# Altium PCB yard-ice-2.PcbDoc (part 2 of 2) (continued)
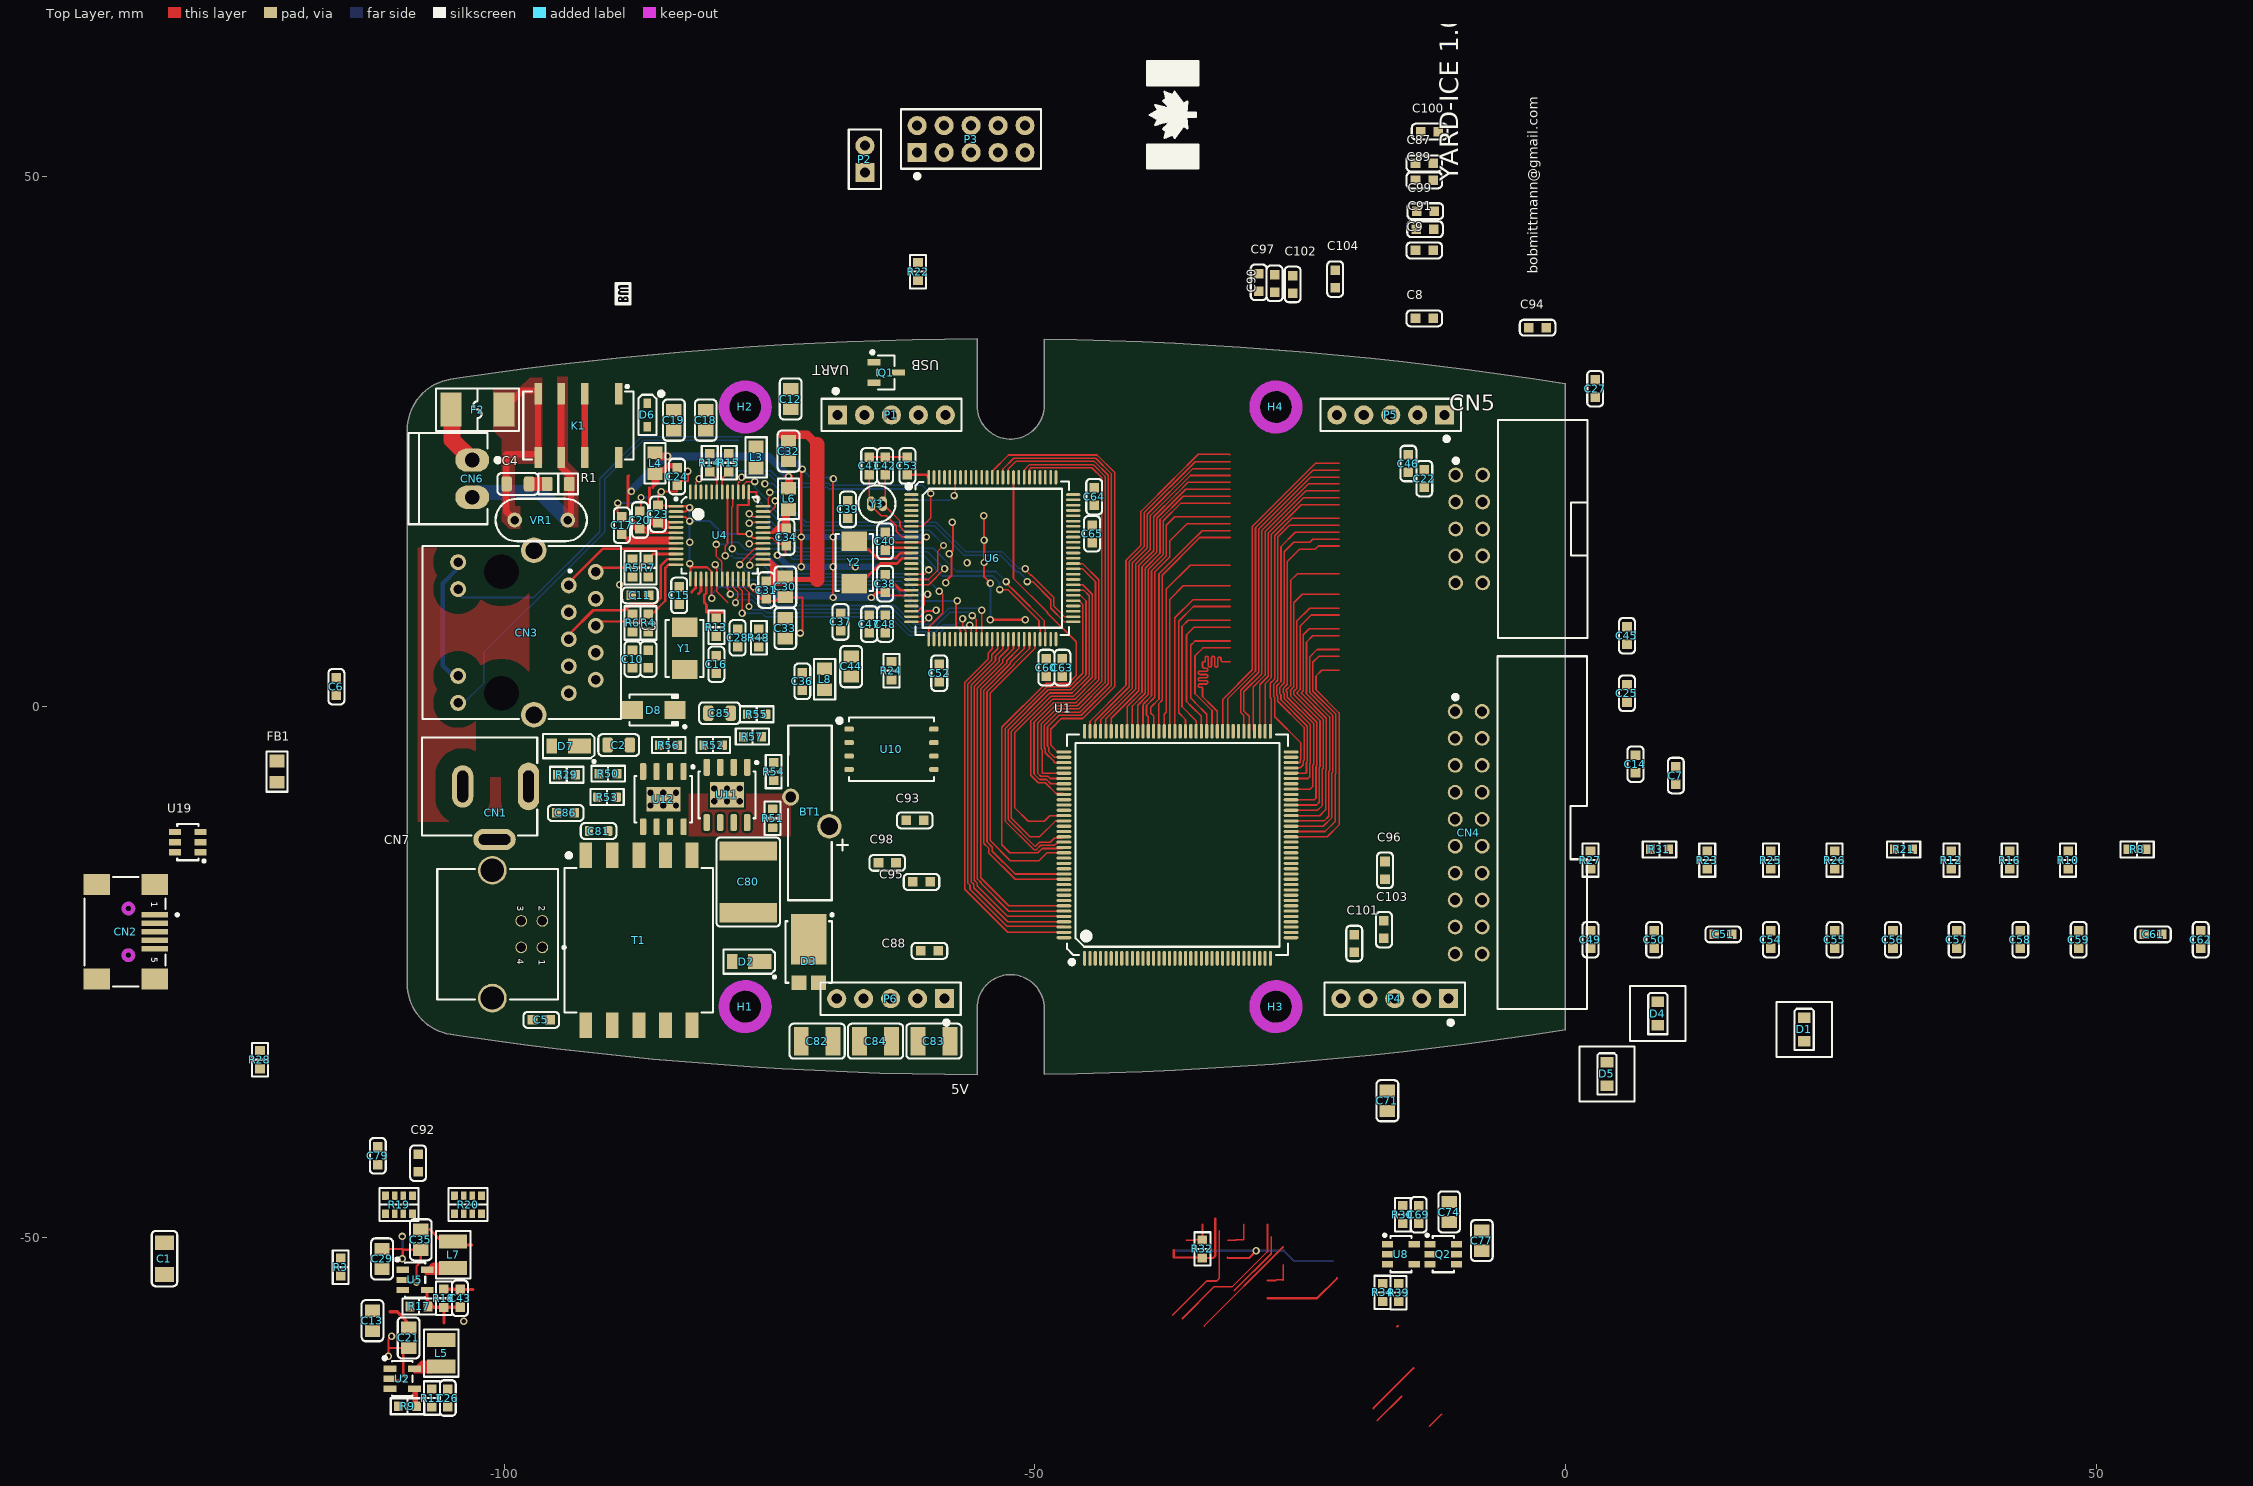
[diagram p0: Top Layer view]
## Nets (pads, with @x,y where several pads share a name; then routed paths per layer and width w, separated by ;. In a path a pad name is that pad's centre, name@x,y a point inside that pad or via, vN(x,y) a via of type N, cw(c..) or ccw(c..) an arc to the next point about the centre after c; other vN are vias at no path point) (continued)
JTDI: P3.3 U6.77
JTDO: P3.5 U6.89
JTMS: P3.1 U6.76
JTRST: P3.9 U6.90
LED1: R12.1
LED2: R16.1
LX1: L5.1 U2.3 | length 3.8
  Top Layer w0.6: -108.375,-62.5 -108.3,-62.5 ; L5.1@-106.95,-62.5 -108.3,-62.5 ; L5.1@-106.175,-61.9 -107.7,-61.9 -108.3,-62.5
LX2: L7.1 U5.3 | length 4
  Top Layer w0.6: L7.1@-105.375,-53.25 -107.25,-53.25 -106.65,-52.65 L7.1@-105.35,-52.65
MCO1: U6.67
NetC4_1: C4.1 R1.1 | length 3.4
  Top Layer w0.7: C4.1@-97.65,20.7 R1.1@-95.95,20.7 ; C4.1@-97.65,21.3 R1.1@-95.95,21.3
NetC6_1: C6.1 CN2.1 FB1.1 U19.5
NetC7_1: C7.1 R8.2 R10.1
NetC10_1: C10.1 R4.1 R6.1
NetC11_1: C11.1 R5.1 R7.1
NetC14_1: C14.1 R23.2 R27.1
NetC15_2: C15.2 U4.15 Y1.1 | length 1.5
  Top Layer w0.25: -81.7,10.65 -81.45,10.9 U4.15@-81.45,12.05
NetC16_2: C16.2 U4.14 Y1.2 | length 1.4
  Top Layer w0.25: -82.325,10.8 -81.95,11.175 U4.14@-81.95,12.05
NetC22_1: C22.1 R25.2 R31.1
NetC25_1: C25.1 R26.2 R32.1 | length 3
  Top Layer w0.15: -35.7,-50.25 -34.951,-50.25 -34.926,-50.225 R32.1@-34.2,-50.225 -34.2,-48.775
NetC28_1: C28.1 R13.2 U4.16 | length 4.8
  Top Layer w0.25: U4.16@-80.95,12.05 -80.95,10.725 -81.138,10.537 -81.138,9.813 -80.925,9.6 -80.925,8.9 -79.45,8.9 -79.425,8.875
NetC37_2: C37.2 U6.13 Y2.2 | length 7.1
  Top Layer w0.25: Y2.2@-67.975,12.225 -65.8,12.225 -64.525,13.5 -63,13.5 -62.5,14 U6.13@-61.625,14
NetC39_2: C39.2 U6.12 Y2.1 | length 6.9
  Top Layer w0.25: Y2.1@-68,15 -65.925,15 -65.725,14.8 ; -65.6,14.775 -64.825,14 -63.136,14 -62.636,14.5 U6.12@-61.625,14.5
NetC81_2: C81.2 R53.1 T1.5 U12.7
NetC86_1: C86.1 U12.4
NetCN2_2: CN2.2 U19.4
NetCN2_3: CN2.3 U19.6
NetCN3_1: CN3.1 R7.2 U4.10 | length 8.1
  Top Layer w0.25: CN3.1@-91.31,13.09 -87.26,13.09 R7.2@-86.4,13.95 -85.95,14.4 U4.10@-83.8,14.4
NetCN3_2: CN3.2 R5.2 U4.9 | length 12.2
  Top Layer w0.25: CN3.2@-93.85,10.945 -93.85,11.75 -90.7,14.9 U4.9@-83.8,14.9
NetCN3_5: CN3.5 R4.2 U4.12 | length 11.8
  Top Layer w0.2: CN3.5@-91.36,7.635 -90.97,8.025 -87.125,8.025 R4.2@-86.4,8.75 -86.05,8.75 -84.8,10
  Top Layer w0.25: -84.8,10 -84.8,13.1 -84.5,13.4 U4.12@-83.8,13.4
NetCN3_6: CN3.6 R6.2 U4.11 | length 13.9
  Top Layer w0.25: CN3.6@-93.85,6.85 -91.6,9.1 -88.6,9.1 -88,9.7 -85.815,9.7 -85.25,10.265 -85.25,13.286 -84.636,13.9 -84.6,13.9
NetCN3_12: CN3.12 R14.1 | length 36
  Bottom Layer w0.15: CN3.12@-104.28,10.59 -103.995,10.305 -97.195,10.305 -91,16.5 -91,21.495 -87.045,25.45 -77.55,25.45
NetCN3_14: CN3.14 R15.1 | length 41.4
  Bottom Layer w0.15: CN3.14@-104.28,-0.13 -104.055,0.095 -101.9,2.25 -101.9,5.1 -90.5,16.5 -90.5,21.5 -86.9,25.1 -77.9,25.1
NetCN4_1: CN4.1 R8.1
NetCN6_1: CN6.1 F2.2 | length 5.7
  Top Layer w1.6: F2.2@-104.9,28.2 -104.9,25.15 CN6.1@-103,23.25
NetD1_1: D1.1 R3.1
NetD3_1: D3.1 T1.6 T1.7
NetD4_1: D4.1 R12.2
NetD5_1: D5.1 R16.2
NetD6_1: D6.1 K1.8 Q1.3
NetK1_2: K1.2 K1.7 | length 6
  Top Layer w0.6: K1.7@-92.4,23.8 K1.2@-92.4,29.5 K1.2@-92.4,29.8
NetP1_4: P1.4
NetP1_5: P1.5
NetQ2_3: Q2.3 U8.4
NetR14_2: R14.2 U4.43 | length 2.2
  Top Layer w0.15: R14.2@-80.625,22.15 -79.95,21.475 U4.43@-79.95,20.25
NetR15_2: R15.2 U4.42 | length 2.2
  Top Layer w0.15: U4.42@-79.45,20.25 -79.45,21.525 R15.2@-78.825,22.15
NetR29_1: R29.1 R50.2 U11.8
NetR34_2: R34.2 R39.2 U8.3
NetR51_2: R51.2 U11.2
NetR52_2: R52.2 R55.1 U11.6 U12.2
NetR53_2: R53.2 U12.6
NetR54_1: R54.1 U11.3
NetR56_1: R56.1 R57.2 U12.8
NetR56_2: R56.2 U12.3
NetU10_1: U10.1
NRST: P3.4 U6.14
OSC32_IN: C42.2 U6.8 Y3.2 | length 6.9
  Top Layer w0.15: C42.2@-64.1,21.875 -64.1,19.35 Y3.2@-64.325,19.125 -62.7,17.5 -62.7,16.959 -62.241,16.5 U6.8@-61.625,16.5
OSC32_OUT: C41.2 U6.9 Y3.1 | length 8.2
  Top Layer w0.15: C41.2@-65.6,21.875 -65.6,19.3 Y3.1@-65.425,19.125 ; Y3.1@-65.488,19.013 -64.475,18 -64,18 -63.05,17.05 -63.05,16.55 -62.5,16 U6.9@-61.625,16
OTG_FS_DM: U6.70 U19.3
OTG_FS_DP: U6.71 U19.1
OTG_FS_ID: U6.69
OTG_FS_VBUS: C5.1 D2.1 FB1.2 U6.68
OTG_HS_DM: U6.53
OTG_HS_DP: U6.54
P_GND: C80.2 C85.2 C86.2 CN1.2 CN1.3 R50.1 R55.2 R57.1 U11.5 U12.5 U12.9
  other v2: -86.2,-9.3 -85,-9.3 -83.8,-9.3 -86.2,-8.1 -85,-8.1 -83.8,-8.1
PC13: U4.47 U6.7 | length 28.9
  Top Layer w0.15: U4.47@-81.95,20.25 -81.95,21.175 v1(-81.625,21.5) ; U6.7@-61.625,17 -60.6,17 -59.8,17.8 v1(-59.8,20.1)
  Bottom Layer w0.15: v1(-81.625,21.5) -78.65,21.5 -77.899,22.251 -74.87,22.251 -73.669,21.05 -69.409,21.05 -69.234,20.875 -60.575,20.875 v1(-59.8,20.1)
PE1: U6.98
PE3: U6.2
POE+: C2.1 C80.1 C81.1 C85.1 CN3.9 D7.2 D8.2 R51.1 R52.1 T1.3 U11.1 U12.1
POE-: C2.2 CN3.10 D8.1 R54.2 U11.4 U11.9
  other v2: -80.2,-8.9 -79,-8.9 -77.8,-8.9 -80.2,-7.7 -79,-7.7 -77.8,-7.7
RLY_C: CN6.2 K1.3 K1.6 R1.2 VR1.2 | length 23
  Top Layer w0.6: K1.3@-94.6,29.8 K1.3@-94.6,29.5 K1.6@-94.6,23.5 -94.6,22.6 -93.7,21.7 -93.7,17.9 VR1.2@-94,17.6
  Bottom Layer w1.4: CN6.2@-103,19.75 -102.55,20.2 -96.6,20.2 VR1.2@-94,17.6
RLY_NO: C4.2 F2.1 K1.4 K1.5 VR1.1 | length 19.3
  Top Layer w0.6: F2.1@-99.9,28.2 -98.3,29.8 -96.8,29.8 K1.4@-96.8,29.5 -96.8,23.8 -99.8,23.8 -99.8,18.4 VR1.1@-99,17.6
RST: CN4.15 R20.7
RTCK: CN4.11 R20.5 R25.1
SDIO_CK: U6.80 U6.91 U10.5
SDIO_CMD: U6.83
SDIO_D0: U6.65
SDIO_D1: R28.2 U6.66
SDIO_D2: U6.78 U10.6
SDIO_D3: U6.79 U10.2
SPI2_NSS: Q1.1 U6.96
SPI4_MISO: U6.4
SPI4_MOSI: U6.5
SPI4_NSS: U6.3
SPI4_SCK: U6.1
SRAM_A0: U1.113 U3.23 U7.23
SRAM_A1: U1.114 U3.24 U7.24
SRAM_A2: U1.115 U3.25 U7.25
SRAM_A3: U1.117 U3.26 U7.26
SRAM_A4: U3.29 U7.29
SRAM_A5: U1.143 U3.30 U7.30
SRAM_A6: U1.142 U3.31 U7.31
SRAM_A7: U1.141 U3.32 U7.32
SRAM_A8: U1.140 U3.33 U7.33
SRAM_A9: U1.139 U3.34 U7.34
SRAM_A10: U1.112 U3.22 U7.22
SRAM_A11: U1.138 U3.35 U7.35
SRAM_A12: U1.137
SRAM_BA0: U1.110 U3.20 U7.20
SRAM_BA1: U1.111 U3.21 U7.21
SRAM_CAS: U1.75 U3.17 U7.17 | length 27.1
  Top Layer w0.15: U1.75@-28.8,-2.3 -28.8,2.079 -28,2.879 -28,16.379 -24.679,19.7 -21.3,19.7
SRAM_CKE: U1.136 U3.37 U7.37
SRAM_CLK: U1.133 U3.38 U7.38
SRAM_CS: U1.109
SRAM_DQ0: U1.89 U3.2 | length 16
  Top Layer w0.15: U1.89@-35.8,-2.3 -35.8,-1.2 -36.431,-0.569 -36.431,8.069 -35.05,9.45 -31.6,9.45
SRAM_DQ1: U1.87 U3.4 | length 15.2
  Top Layer w0.15: U1.87@-34.8,-2.3 -34.8,-1.3 -36.131,0.031 -36.131,7.569 -35.55,8.15 -31.6,8.15
SRAM_DQ2: U1.86 U3.5 | length 14.1
  Top Layer w0.15: U1.86@-34.3,-2.3 -34.3,-0.9 -35.2,0 -35.7,0.5 -35.7,6.8 -35,7.5 -31.6,7.5
SRAM_DQ3: U1.85 U3.7 | length 12.6
  Top Layer w0.15: U1.85@-33.8,-2.3 -33.8,-0.7 -34.9,0.4 -34.9,0.424 -35.3,0.824 -35.3,5.8 -34.9,6.2 -31.6,6.2
SRAM_DQ4: U1.84 U3.8 | length 11.4
  Top Layer w0.15: U1.84@-33.3,-2.3 -33.3,-0.349 -34.9,1.251 -34.9,4.8 -34.15,5.55 -31.6,5.55
SRAM_DQ5: U1.83 U3.10 | length 18.4
  Top Layer w0.15: U1.83@-32.8,-2.3 -32.8,-0.424 -33.224,0 -34.2,0.976 -34.2,1.8 ccw(c-34.25,1.8) -34.25,1.85 -34.45,1.85 cw(c-34.45,2) -34.6,2 cw(c-34.45,2) -34.45,2.15 -34.2,2.15 -33.85,2.15 ccw(c-33.85,2.3) -33.7,2.3 ccw(c-33.85,2.3) -33.85,2.45 -34.2,2.45 -34.45,2.45 cw(c-34.45,2.6) -34.6,2.6 cw(c-34.45,2.6) -34.45,2.75 -34.2,2.75 -33.85,2.75 ccw(c-33.85,2.9) -33.7,2.9 ccw(c-33.85,2.9) -33.85,3.05 -34.2,3.05 -34.45,3.05 cw(c-34.45,3.2) -34.6,3.2 cw(c-34.45,3.2) -34.45,3.35 -34.2,3.35 -33.85,3.35 ccw(c-33.85,3.5) -33.7,3.5 ccw(c-33.85,3.5) -33.85,3.65 -34.05,3.65 cw(c-34.05,3.8) -34.2,3.8 -34.2,4.2 -34.15,4.25 -34,4.25 ccw(c-34,4.3) -33.95,4.3 -33.95,4.6 cw(c-33.8,4.6) -33.8,4.75 cw(c-33.8,4.6) -33.65,4.6 -33.65,4.25 -33.65,3.9 ccw(c-33.5,3.9) -33.5,3.75 ccw(c-33.5,3.9) -33.35,3.9 -33.35,4.25 -33.35,4.6 cw(c-33.2,4.6) -33.2,4.75 cw(c-33.2,4.6) -33.05,4.6 -33.05,4.25 -33.05,3.9 ccw(c-32.9,3.9) -32.9,3.75 ccw(c-32.9,3.9) -32.75,3.9 -32.75,4.25 -32.75,4.542 cw(c-32.6,4.542) -32.6,4.692 cw(c-32.6,4.542) -32.45,4.542 -32.45,4.4 ccw(c-32.3,4.4) -32.3,4.25 -32.15,4.25 -32,4.25 -31.6,4.25
SRAM_DQ6: U1.82 U3.11 | length 31.1
  Top Layer w0.15: U1.82@-32.3,-2.3 -32.3,0.7 -29.5,3.5 -29.5,17 -23.55,22.95 -21.3,22.95
SRAM_DQ7: U1.81 U3.13 | length 30.4
  Top Layer w0.15: U1.81@-31.8,-2.3 -31.8,0.776 -29.2,3.376 -29.2,16.876 -23.776,22.3 -21.3,22.3
SRAM_DQ8: U1.128 U3.42
SRAM_DQ9: U1.127 U3.44
SRAM_DQ10: U1.126 U3.45
SRAM_DQ11: U1.125 U3.47
SRAM_DQ12: U1.122 U3.48
SRAM_DQ13: U1.121 U3.50
SRAM_DQ14: U1.120 U3.51
SRAM_DQ15: U1.119 U3.53
SRAM_DQ16: U7.2
SRAM_DQ17: U7.4
SRAM_DQ18: U7.5
SRAM_DQ19: U7.7
SRAM_DQ20: U7.8
SRAM_DQ21: U7.10
SRAM_DQ22: U7.11
SRAM_DQ23: U7.13
SRAM_DQ24: U7.42
SRAM_DQ25: U7.44
SRAM_DQ26: U7.45
SRAM_DQ27: U7.47
SRAM_DQ28: U7.48
SRAM_DQ29: U7.50
SRAM_DQ30: U7.51
SRAM_DQ31: U7.53
SRAM_DQM: U1.78 | length 29.5
  Top Layer w0.15: U1.78@-30.3,-2.3 -30.3,-0.824 -30.6,-0.524 -30.6,1.551 -28.9,3.251 -28.9,16.751 -24.001,21.65 -21.3,21.65
SRAM_DQM1: U3.15 U3.39
SRAM_DQM2: U7.15 U7.39
SRAM_RAS: U1.74 U3.18 U7.18 | length 26.4
  Top Layer w0.15: U1.74@-28.3,-2.3 -28.3,2.154 -27.7,2.754 -27.7,16.254 -24.904,19.05 -21.3,19.05
SRAM_WE1: U1.76 U3.16 | length 27.9
  Top Layer w0.15: U1.76@-29.3,-2.3 -29.425,-2.175 -29.425,1.878 -28.3,3.003 -28.3,16.503 -24.453,20.35 -21.3,20.35
SRAM_WE2: U7.16
TCK: CN4.9 R19.8
TDI: CN4.5 R19.6
TDO: CN4.13 R20.6 R23.1 | length 10.3
  Top Layer w0.15: -36.999,-57.299 -33.8,-54.1 -32.851,-54.1 -32.625,-53.874 -32.625,-49.375
TMS: CN4.7 R19.7
TRST: CN4.3 R19.5
USART6_RX: U6.64
USART6_TX: U6.63
VBAT: BT1.1 U6.6
VCAP_1: C60.1 U6.49
VCAP_2: C65.1 U6.73
VCC_1.2: C35.1 C43.1 C88.1 C89.1 C90.1 C91.1 C92.1 L7.2 R18.2 U1.36 U1.72 U1.108 U1.144 | length 7.9
  Top Layer w0.2: C43.1@-104.2,-54.875 C43.1@-104.175,-54.9
  Top Layer w0.25: -107,-49.25 -105.875,-50.375 L7.2@-104.8,-50.375 ; L7.2@-105.55,-50.7 -103.05,-50.7
  Top Layer w0.3: R18.2@-105.675,-54.875 C43.1@-104.2,-54.875 ; C43.1@-104.15,-54.9 -102.925,-54.9
VCC_3.3: C21.1 C26.1 C27.1 C30.1 C31.1 C32.1 C33.1 C36.1 C38.1 C40.1 C45.1 C46.1 C49.1 C50.1 C51.1 C52.1 C53.1 C54.1 C55.1 C56.1 C57.1 C58.1 C59.1 C61.1 C62.1 C63.1 C64.1 C71.1 C79.1 C93.1 C94.1 C95.1 C96.1 C97.1 C98.1 C99.1 C100.1 C101.1 C102.1 C103.1 C104.1 CN3.11 CN3.13 L3.1 L5.2 L8.1 P1.1 P2.2 P3.2 R11.2 R48.2 U1.37 U1.51 U1.66 U1.79 U1.88 U1.102 U1.118 U1.123 U1.135 U3.1 U3.3 U3.9 U3.14 U3.27 U3.43 U3.49 U4.25 U4.26 U6.11 U6.19 U6.28 U6.50 U6.75 U6.100 U7.1 U7.3 U7.9 U7.14 U7.27 U7.43 U7.49 U10.3 U10.7 U10.8 | length 54.4
  Top Layer w0.25: U4.25@-75.6,13.4 -75.025,13.4 -74.8,13.175 ; U4.26@-75.6,13.9 -75,13.9 -74.8,13.7 ; C31.1@-75,11.5 -74.8,11.5 ; -74.55,11.625 -74.55,13.45 ; C30.1@-73.55,12 C30.1@-73.55,11.85 ; C38.1@-64.1,12.425 -62.675,11 U6.19@-61.625,11 ; C40.1@-64.1,14.775 -63.875,15 U6.11@-61.625,15 ; C53.1@-62,21.875 -60.25,21.875 U6.100@-60,21.625 ; -74.8,11.5 -74.8,13.175 ; -74.8,11.5 -74.3,11.5 ; -74.8,13.175 -74.8,13.7 ; -74.8,13.7 -74.55,13.45 ; -74.55,13.45 -74.3,13.2 -74.3,12.6 ; -74.3,11.5 -73.875,11.5 ; -74.3,11.5 -74.3,11.925 ; -74.3,11.925 -74.062,11.687 -73.875,11.5 ; -74.3,11.925 -74.3,12.25 ; -74.3,12.25 -74.3,12.6 ; -74.3,12.25 -73.55,11.5 ; -74.3,12.6 C30.1@-73.55,11.85 ; -73.875,11.5 -73.55,11.5 ; -73.55,11.5 C30.1@-73.55,11.85
  Top Layer w0.3: -110.725,-56.975 -110.75,-57 -110.075,-57 C21.1@-108.925,-58.15
  Top Layer w0.5: C30.1@-73.55,12 -70.5,12
  Top Layer w0.8: -73.85,25.65 -71.45,25.65 -70.5,24.7
  Top Layer w1.4: -70.5,12 -70.5,24.7
  Bottom Layer w0.4: CN3.13@-104.28,2.41 -105.78,3.91 -105.78,11.63 CN3.11@-104.28,13.13
VCC_5: C13.1 C29.1 C74.1 C82.1 C83.1 C84.1 D2.2 D3.2 D6.2 K1.1 Q2.1 Q2.2 Q2.5 Q2.6 R3.2 U2.1 U2.4 U5.1 U5.4 U8.5
VCC_IO: C8.1 C9.1 C77.1 C87.1 CN4.2 Q2.4 R34.1 U1.7 U1.16 U1.30
VDDA: C44.1 C47.1 C48.1 L8.2 U6.21 U6.22
VIN+: CN1.1 D7.1 R29.2
pads on no net: CN2.0 CN2.4 CN2.6 CN3.0 CN3.7 CN3.8 CN5.1 CN5.2 CN5.3 CN5.4 CN5.5 CN5.6 CN5.7 CN5.8 CN5.9 CN5.10 CN7.1 CN7.2 CN7.3 CN7.4 CN7.5 CN7.6 D1.0 D4.0 D5.0 H1.0 H2.0 H3.0 H4.0 P1.2 P4.1 P4.2 P4.3 P4.4 P4.5 P5.1 P5.2 P5.3 P5.4 P5.5 P6.1 P6.2 P6.3 P6.4 P6.5 R19.1 R19.2 R19.3 R19.4 R20.1 R20.2 R20.3 R20.4 R21.2 T1.1 T1.2 T1.4 T1.8 U1.1 U1.2 U1.3 U1.4 U1.5 U1.6 U1.9 U1.10 U1.11 U1.12 U1.13 U1.14 U1.15 U1.17 U1.19 U1.20 U1.21 U1.22 U1.23 U1.24 U1.25 U1.26 U1.27 U1.28 U1.31 U1.32 U1.33 U1.34 U1.35 U1.38 U1.45 U1.47 U1.50 U1.52 U1.60 U1.68 U1.77 U1.91 U1.92 U1.93 U1.94 U1.95 U1.96 U1.97 U1.100 U1.103 U1.104 U1.106 U1.107 U1.129 U1.130 U1.131 U1.132 U3.36 U3.40 U4.32 U4.44 U4.45 U4.46 U4.48 U7.36 U7.40 U11.7
copper on no net: | length 460.1
  Top Layer w0.15: -44.8,-2.3 -44.8,-1.379 -41.4,2.021 -41.4,13.814 -40,15.214 -40,18.4 -36.9,21.5 -36.788,21.612 -34.601,23.799 -31.649,23.799 -31.6,23.75 ; -44.3,-2.3 -44.3,-1.303 -41.1,1.897 -41.1,13.69 -39.7,15.09 -39.7,18.276 -34.876,23.1 -31.6,23.1 ; -43.3,-2.3 -43.3,-1.151 -40.5,1.648 -40.5,13.441 -39.1,14.841 -39.1,18.027 -35.327,21.8 -31.6,21.8 ; -42.8,-2.3 -42.8,-1.076 -40.2,1.524 -40.2,13.317 -38.8,14.717 -38.8,17.903 -36.653,20.05 -35.553,21.15 -31.6,21.15 ; -41.3,-2.3 -41.3,0 -39.9,1.4 -39.9,13.193 -38.5,14.593 -38.5,17.779 -35.779,20.5 -31.6,20.5 ; -39.8,-2.3 -39.8,0.075 -39.775,0.1 -39.775,0.252 -39,1.027 -39,12.82 -37.6,14.22 -37.6,17.1 -36.8,17.9 -31.6,17.9 ; -39.3,-2.3 -39.3,-0.946 -39.475,-0.771 -39.475,0.128 -38.7,0.903 -38.7,12.696 -37.3,14.096 -37.3,15.6 -35.65,17.25 -31.6,17.25 ; -38.8,-2.3 -38.8,-0.875 -39.071,-0.604 -39.071,-0.039 -38.296,0.736 -38.296,12.528 -35.424,15.4 -34.224,16.6 -31.6,16.6 ; -38.3,-2.3 -38.3,0.307 -37.996,0.611 -37.996,12.404 -34.45,15.95 -31.6,15.95 ; -37.8,-2.3 -37.8,-0.7 -37.6,-0.5 -37.6,11.1 -35.35,13.35 -31.6,13.35 ; -37.3,-2.3 -37.3,10.1 -36,11.4 -31.6,11.4 ; -36.8,-2.3 -36.8,8.4 -35.1,10.1 -31.6,10.1 ; -36.1,-57.649 -33.076,-54.625 -31.375,-54.625 -28.075,-51.325 -28.075,-48.775 ; -34.049,-58.349 -26.575,-50.875 ; -31.825,-50.25 -31.051,-50.25 -31.026,-50.225 -30.325,-50.225 -30.325,-48.775 ; -31.206,-54.999 -27.725,-51.519 -27.725,-49.925 ; -29.8,-2.3 -29.8,-0.9 -30.3,-0.4 -30.3,1.427 -28.6,3.127 -28.6,16.627 -24.227,21 -21.3,21 ; -28.075,-54.05 -27.301,-54.05 -27.251,-54 -26.6,-54 -26.575,-54.025 -26.575,-52.575 ; -25.85,-10.25 -23.15,-10.25 -22.6,-9.7 -22.6,-5.974 -22.525,-5.899 -22.525,-1.072 -24.904,1.307 -24.7,1.512 -24.7,6.8 -24.15,7.35 -21.3,7.35 ; -25.85,-6.25 -24.45,-6.25 -24.4,-6.2 -24.4,-5.229 -24.325,-5.154 -24.325,-1.818 -26.8,0.657 -26.8,1.13 -26.9,1.23 -26.9,1.857 -26.5,2.257 -26.5,14.6 -25.6,15.5 -24.1,15.5 -23.8,15.8 -21.3,15.8 ; -17.725,-67.25 -15.425,-64.95 ; -12.825,-67.8 -11.675,-66.65
  Top Layer w0.2: -31.825,-51.9 -31.8,-51.925 -30.325,-51.925 -29.801,-51.925 v1@-29.2,-51.324 ; -28.05,-55.725 -26.575,-55.725 -23.401,-55.725 -21.506,-53.829
  Bottom Layer w0.2: -36.8,-51.25 v1(-29.15,-51.25) -26.525,-51.25 -25.55,-52.225 -21.975,-52.225

## Polygon pours and split planes (outlines as drawn)
GND_EARTH on Top Layer "Top-Layer-GND_EARTH" (solid, pour order 30): -108.138,-10.848 -95.652,-10.848 -95.65,-8.5 -99.875,-8.5 -99.875,-6.625 -102.65,-6.625 -102.65,2.725 -97.65,2.725 -97.652,27.5 -97.5,27.652 -92.652,27.652 -92.652,31.492 ccw(c-53.972,-310.732) -104.027,30.015 -104.894,29.874 ccw(c-104.278,26.063) -108.138,26.063
RLY_NO on Top Layer "RLY-Top" (solid, remove dead copper, pour order 26): -101,30 -98.6,30 -97.6,31 -96.4,31 -96.4,22.9 -99,22.9 -99,18.9 -98.5,18.9 -98.5,16.8 -99.5,16.8 -100.2,17.5 -100.2,25.2 -101,26
RLY_C on Top Layer "RLY-Top" (solid, remove dead copper, pour order 25): -95,31.1 -94,31.1 -94,23.1 -93,22.1 -93,16.9 -94.3,16.9 -94.4,17 -94.4,21.9 -95,22.5
VCC_5 on Top Layer "Top-Layer-VCC_4.7" (solid, pour order 23): -82.6,-12.2 -73,-12.2 -73,-8.2 -82.6,-8.2
GND_EARTH on Bottom Layer "Bottom-Layer-GND_EARTH" (solid, pour order 33): -108.138,-10.848 -99.877,-10.848 -99.875,-8.5 -99.875,-6.625 -102.65,-6.625 -102.65,2.725 -97.65,2.725 -97.652,27.5 -97.5,27.652 -92.652,27.652 -92.652,31.492 ccw(c-53.972,-310.732) -104.027,30.015 -104.894,29.874 ccw(c-104.278,26.063) -108.138,26.063

## Other copper
Top Layer:
  pour cut-out: -96.5,4.5 -69.8,4.5 -69.8,4.8 -96.5,4.8
  pour cut-out: -110,15 -90,15 -90,35 -91,35 -91,16 -110,16
Bottom Layer:
  pour cut-out: -96.5,4.5 -69.8,4.5 -69.8,4.8 -96.5,4.8
  pour cut-out: -110,15 -90,15 -90,35 -91,35 -91,16 -110,16

## Silkscreen, mask and mechanical layers (free items; w line width, h text height)
Top Overlay:
  lines w0.15: -89.35,37.9 -89.35,39.95 ; -89.35,38.05 -88.225,38.05 ; -89.35,38.3 ccw(c-89.1,38.3) -89.1,38.05 ; -89.35,38.5 cw(c-89.1,38.5) -89.1,38.75 cw(c-89.1,39) -89.35,39 ; -89.35,38.75 -88.225,38.75 ; -89.35,39.058 cw(c-89.1,39.058) -89.225,39.275 cw(c-89.1,39.492) -89.35,39.492 ; -89.35,39.55 cw(c-89.1,39.55) -89.1,39.8 ; -89.35,39.8 -88.225,39.8 ; -89.1,38.4 -89,38.4 ; -89.033,38.75 cw(c-89.033,38.5) -88.817,38.625 cw(c-88.6,38.5) -88.6,38.75 ; -89.025,39.1 -88.225,39.1 ; -89.025,39.45 -88.225,39.45 ; -88.625,38.4 -88.475,38.4 ; -88.475,38.75 cw(c-88.475,38.5) -88.225,38.5 ; -88.225,37.9 -88.225,39.95 ; -89.5,37.9 -89.5,39.95 -88.075,39.95 -88.075,37.9 -89.5,37.9
  lines w0.2: -39.2,50.721 -39.2,53 ; -39.2,58.545 -39.2,60.824 ; -39,50.721 -39,53 ; -39,55.674 -39,55.871 ; -39,58.545 -39,60.824 ; -38.8,50.721 -38.8,53 ; -38.8,55.557 -38.8,55.988 ; -38.8,58.545 -38.8,60.824 ; -38.6,50.721 -38.6,53 ; -38.6,54.842 -38.6,54.924 ; -38.6,55.44 -38.6,56.105 ; -38.6,56.621 -38.6,56.703 ; -38.6,58.545 -38.6,60.824 ; -38.4,50.721 -38.4,53 ; -38.4,54.896 -38.4,56.649 ; -38.4,58.545 -38.4,60.824 ; -38.2,50.721 -38.2,53 ; -38.2,54.949 -38.2,56.596 ; -38.2,58.545 -38.2,60.824 ; -38,50.721 -38,53 ; -38,55.003 -38,56.542 ; -38,58.545 -38,60.824 ; -37.8,50.721 -37.8,53 ; -37.8,54.365 -37.8,54.572 ; -37.8,55.056 -37.8,56.489 ; -37.8,56.973 -37.8,57.18 ; -37.8,58.545 -37.8,60.824 ; -37.6,50.721 -37.6,53 ; -37.6,53.661 -37.6,54.776 ; -37.6,55.109 -37.6,56.436 ; -37.6,56.769 -37.6,57.884 ; -37.6,58.545 -37.6,60.824 ; -37.4,50.721 -37.4,53 ; -37.4,53.739 -37.4,54.98 ; -37.4,55.163 -37.4,56.382 ; -37.4,56.565 -37.4,57.806 ; -37.4,58.545 -37.4,60.824 ; -37.2,50.721 -37.2,53 ; -37.2,53.818 -37.2,57.727 ; -37.2,58.545 -37.2,60.824 ; -37,50.721 -37,53 ; -37,53.896 -37,57.649 ; -37,58.545 -37,60.824 ; -36.8,50.721 -36.8,53 ; -36.8,53.627 -36.8,57.918 ; -36.8,58.545 -36.8,60.824 ; -36.6,50.721 -36.6,53 ; -36.6,53.905 -36.6,57.64 ; -36.6,58.545 -36.6,60.824 -36.4,60.824 -36.4,58.545 ; -36.4,50.721 -36.4,53 ; -36.4,54.182 -36.4,57.363 ; -36.2,50.721 -36.2,53 ; -36.2,54.459 -36.2,57.085 ; -36.2,58.545 -36.2,60.824 ; -36,50.721 -36,53 ; -36,54.737 -36,56.808 ; -36,58.545 -36,60.824 ; -35.8,50.721 -35.8,53 ; -35.8,54.621 -35.8,56.924 ; -35.8,58.545 -35.8,60.824 ; -35.6,50.721 -35.6,53 ; -35.6,55.56 -35.6,55.985 ; -35.6,58.545 -35.6,60.824 ; -35.4,50.721 -35.4,53 ; -35.4,55.56 -35.4,55.985 ; -35.4,58.545 -35.4,60.824 ; -35.2,50.721 -35.2,53 ; -35.2,55.56 -35.2,55.985 ; -35.2,58.545 -35.2,60.824 ; -35,50.721 -35,53 ; -35,55.56 -35,55.985 ; -35,58.545 -35,60.824 ; -34.8,50.721 -34.8,53 ; -34.8,58.545 -34.8,60.824 ; -39.404,50.721 -34.596,50.721 -34.596,53 -39.404,53 -39.404,50.721 ; -39.404,58.545 -34.596,58.545 -34.596,60.824 -39.404,60.824 -39.404,58.545 ; -39.169,55.772 -38.377,56.235 -38.656,56.718 -37.157,56.317 -37.91,57.085 -37.625,57.33 -37.773,57.951 -36.953,57.631 -36.826,57.954 -35.996,56.803 -35.629,57.028 -35.714,55.985 -34.81,55.985 -34.81,55.56 -35.714,55.56 -35.629,54.517 -35.996,54.742 -36.826,53.591 -36.953,53.914 -37.773,53.594 -37.625,54.215 -37.91,54.46 -37.157,55.228 -38.656,54.827 -38.377,55.31 -39.169,55.772
  text "YARD-ICE 1.0" at -9.5,49.5 h3 r90
  text "bobmittmann@gmail.com" at -2.3,40.8 h1.6 r90
  text "USB" at -59,33 h1.6 r180
  text "UART" at -67.5,32.5 h1.6 r180
  text "5V" at -57.85,-36.85 h1.6
PCB Boundary:
  circle w0.1: c-27.278,-28.25 r1.6
  circle w0.1: c-77.278,-28.25 r1.6
  circle w0.1: c-77.278,28.25 r1.6
  circle w0.1: c-27.278,28.25 r1.6
  lines w0.1: -109.138,-26.063 ccw(c-104.278,-26.063) -105.054,-30.861 -104.179,-31.003 ccw(c-53.972,310.732) -55.44,-34.668 -55.44,-28.392 cw(c-52.278,-28.392) -49.115,-28.392 -49.115,-34.637 ccw(c-53.972,310.732) 0,-30.429 0,30.429 ccw(c-53.972,-310.732) -49.115,34.637 -49.115,28.392 cw(c-52.278,28.392) -55.44,28.392 -55.44,34.668 ccw(c-53.972,-310.732) -104.179,31.003 -105.054,30.861 ccw(c-104.278,26.063) -109.138,26.063 -109.138,-26.063
Mechanical 5:
  lines w0.1: -48.115,-28.392 ccw(c-52.278,-28.392) -56.44,-28.392 -56.44,-33.663 cw(c-53.972,310.732) -104.027,-30.015 -104.894,-29.874 cw(c-104.278,-26.063) -108.138,-26.063 -108.138,26.063 cw(c-104.278,26.063) -104.894,29.874 -104.027,30.015 cw(c-53.972,-310.732) -56.44,33.663 -56.44,28.392 ccw(c-52.278,28.392) -48.115,28.392 -48.115,33.622 cw(c-53.972,-310.732) -1,29.573 -1,-29.573 cw(c-53.972,310.732) -48.115,-33.622 -48.115,-28.351
Design Information:
  drawing of 210 lines, arcs and shapes, not listed
  text "FABRICATION INFORMATION" at 15.025,-14.5 h1.75
  text "BOARD SIZE:" at 15.025,-17.5 h1.25
  text "109.14mm X 69.72mm" at 56.025,-17.5 h1.25
  text "CONDUCTOR SPACING (MIN):" at 15.025,-20.5 h1.25
  text "0.2mm (8 mils)" at 56.025,-20.5 h1.25
  text "CONDUCTOR WIDTH (MIN):" at 15.025,-23.5 h1.25
  text "0.15mm (6 mils)" at 56.025,-23.5 h1.25
  text "BASE MATERIAL:" at 15.025,-26.5 h1.25
  text "FR4" at 56.025,-26.5 h1.25
  text "BOARD THICKNESS:" at 15.025,-29.5 h1.25
  text "1.6mm" at 56.025,-29.5 h1.25
  text "COOPER LAYERS:" at 15.025,-32.5 h1.25
  text "2" at 56.025,-32.5 h1.25
  text "COPPER THICKNESS (FINISHED):" at 15.025,-35.5 h1.25
  text "35um" at 56.025,-35.5 h1.25
  text "LEGEND MARKING COLOUR:" at 15.025,-38.5 h1.25
  text "WHITE" at 56.025,-38.5 h1.25
  text "SOLDER MASK COLOUR:" at 15.025,-41.5 h1.25
  text "GREEN" at 56.025,-41.5 h1.25
  text "SURFACE FINISH:" at 15.025,-44.5 h1.25
  text "HOT AIR SOLDER LEVEL" at 56.025,-44.5 h1.25
  text "ELECTRICAL TEST:" at 15.025,-47.5 h1.25
  text "REQUIRED" at 56.025,-47.5 h1.25
  text "SURFACE MOUNT:" at 15.025,-50.5 h1.25
  text "TOP" at 56.025,-50.5 h1.25
  text "DWN:" at 14.525,-54 h1
  text "MITTMANN" at 31.025,-54.5 h1.1
  text ".PRINT_DATE" at 29.025,-56.5 h1.1
  text "Bob Mittmann" at 41.025,-56.5 h4
  text "LAYER STACK-UP DETAIL" at -106.647,-57.71 h1.75
  text "CHK:" at 14.525,-59 h1
  text "--" at 31.025,-59.5 h1.1
  text "TITLE:" at 39.525,-60 h1
  text "--" at 29.025,-61.5 h1.1
  text "YARD-ICE" at 41.025,-62.5 h1.5
  text "APVD:" at 14.525,-64 h1
  text "WHITE COLOR SILKSCREEN" at -56.725,-64.5 h1.2
  text "--" at 31.025,-64.5 h1.1
  text "GREEN COLOR SOLDERMASK" at -56.725,-66.5 h1.2
  text "--" at 29.025,-66.5 h1.1
  text "0.035mm+/-0.01mm LAYER #1: TOP (COMPONENT SIDE)" at -56.725,-68.5 h1.2
  text "DWG NO:" at 39.525,-69 h1
  text "REV:" at 75.525,-69 h1
  text "1.6mm+/-10%" at -105.675,-70.5 h1.2
  text "1.53mm+/-0.15mm LAMINATE CORE" at -56.725,-70.5 h1.2
  text "yard-ice" at 41.025,-71.5 h1.5
  text "1.0" at 77.025,-71.5 h1.5
  text "0.035mm+/-0.01mm LAYER #2: BOTTOM" at -56.725,-72.5 h1.2
  text "PART NO:" at 39.525,-74 h1
  text "SCALE:" at 74.525,-74 h1
  text "GREEN COLOR SOLDERMASK" at -56.725,-74.5 h1.2
  text "00000" at 41.025,-76.5 h1.5
  text "1:1" at 77.525,-76.5 h1.5
  text "FILE:" at 14.525,-79.5 h1
  text ".PCB_FILE_NAME_NO_PATH" at 20.025,-79.5 h1.25
  text "RCS REV:" at 66.525,-79.5 h1
  text ".VersionControl_RevNumber" at 75.025,-79.5 h1.25
Assembly Top:
  text ".Layer_Name" at 8.8,-8.675 h0.8 r90
Reference:
  region: -149,7.75 -129.5,7.75 -129.5,-22.75 -149,-22.75
  lines w0.1: -128.4,-26.4 -128.4,33.3 ; -111.1,-33.7 -111.1,26
Drill Drawing:
  text ".Legend" at 14.6,-8 h1.25

## Dimensions
0,-30.429 to -109.138,-26.063 on Dimensions
-49.115,34.637 to -49.115,-34.637 on Dimensions

## Text inside footprints (layer, text, board x,y; h text height)
CN2: Top Overlay "5" at -133.225,-23.575 h0.64 r270; Top Overlay "1" at -133.225,-18.375 h0.64 r270
CN7: Top Overlay "1" at -96.745,-23.82 h0.64 r270; Top Overlay "4" at -98.745,-23.72 h0.64 r270; Top Overlay "3" at -98.745,-18.72 h0.64 r270; Top Overlay "2" at -96.745,-18.72 h0.64 r270